# KiCad board trackpad.kicad_pcb (continued)
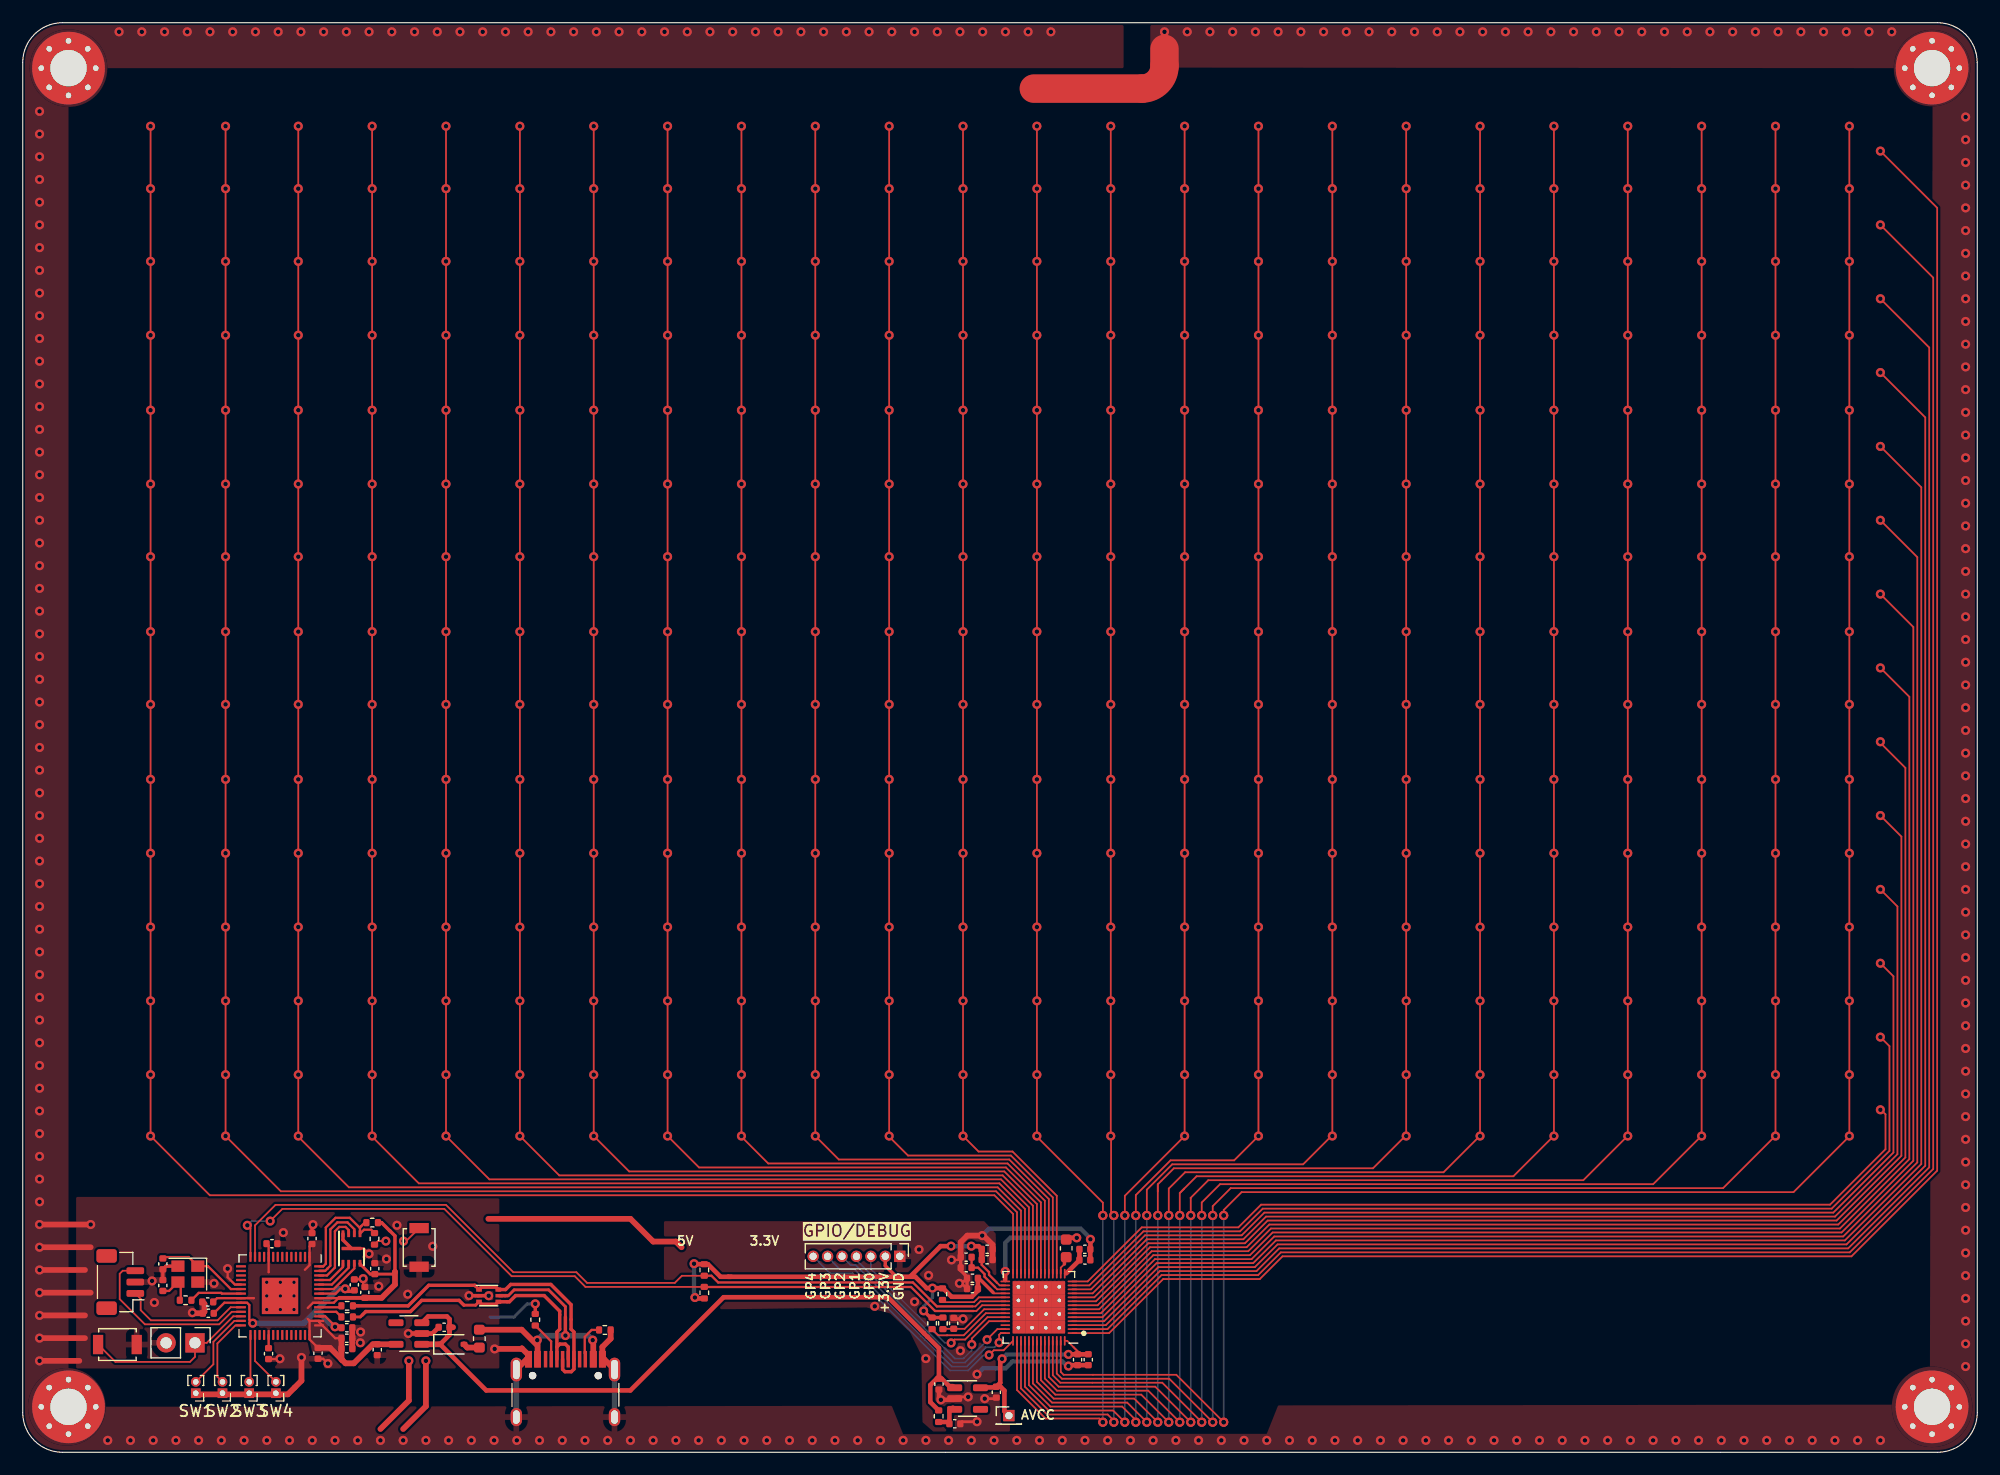
[diagram p0: board, top side]
## Routing (per net, layer and track width the routed paths; a pad name or vN(x,y) marks a point on that pad's centre or on a via; arc(x,y) is an arc through that point) (continued)
  Top w2.5: 100.48,123.55 100.48,122.05 arc(99.89,120.64) 98.48,120.05 88.98,120.05
  Bottom w0.3: 41.13,11.9 43.23,11.9 44.4,13.07 v1(45.11,13.07) ; J5.1 77.39,17.04
  Bottom w0.4: v1(84.44,19.08) 85.04,19.68 93.09,19.68 93.96,18.81 v1(93.96,18.75) ; v1(83.98,6.87) 84.5,7.39 86.48,7.39 87.09,8 91.49,8 91.9,7.59 v1(92.02,7.59)
  Bottom w0.5: J1.S1 J1.S1 ; J1.S1 J1.S1
  vias: v1(1.48,118.05) v1(1.48,116.05) v1(1.48,114.05) v1(1.48,112.05) v1(1.48,110.05) v1(1.48,108.05) v1(1.48,106.05) v1(1.48,104.05) v1(1.48,102.05) v1(1.48,100.05) v1(1.48,98.05) v1(1.48,96.05) v1(1.48,94.05) v1(1.48,92.05) v1(1.48,90.05) v1(1.48,88.05) v1(1.48,86.05) v1(1.48,84.05) v1(1.48,82.05) v1(1.48,80.05) v1(1.48,78.05) v1(1.48,76.05) v1(1.48,74.05) v1(1.48,72.05) v1(1.48,70.05) v1(1.48,68.05) v1(1.48,66.05) v1(1.48,64.05) v1(1.48,62.05) v1(1.48,60.05) v1(1.48,58.05) v1(1.48,56.05) v1(1.48,54.05) v1(1.48,52.05) v1(1.48,50.05) v1(1.48,48.05) v1(1.48,46.05) v1(1.48,44.05) v1(1.48,42.05) v1(1.48,40.05) v1(1.48,38.05) v1(1.48,36.05) v1(1.48,34.05) v1(1.48,32.05) v1(1.48,30.05) v1(1.48,28.05) v1(1.48,26.05) v1(1.48,24.05) v1(1.48,22.05) v1(7.48,1.05) v1(8.48,125.05) v1(9.48,1.05) v1(10.48,125.05) v1(11.38,15.09) v1(11.48,1.05) v1(11.58,13.19) v1(12.48,125.05) v1(13.48,1.05) v1(14.48,125.05) v1(15.48,1.05) v1(16.48,125.05) v1(16.83,14.86) v1(17.48,1.05) v1(18.48,125.05) v1(19.48,1.05) v1(20.48,125.05) v1(21.48,1.05) v1(22.48,125.05) v1(22.93,19.34) v1(23.48,1.05) v1(24.48,125.05) v1(24.53,8.35) v1(25.48,1.05) v1(26.48,125.05) v1(27.48,1.05) v1(28.48,125.05) v1(29.48,1.05) v1(29.71,9.64) v1(29.73,10.59) v1(30.48,125.05) v1(31.33,14.62) v1(31.48,1.05) v1(32.01,17.02) v1(32.48,125.05) v1(32.93,19.99) v1(33.48,1.05) v1(33.88,13.92) v1(34.48,125.05) v1(35.48,1.05) v1(36.08,18.14) v1(36.48,125.05) v1(37.48,1.05) v1(38.48,125.05) v1(39.48,1.05) v1(40.48,125.05) v1(41.48,1.05) v1(42.48,125.05) v1(43.48,1.05) v1(44.48,125.05) v1(45.48,1.05) v1(46.48,125.05) v1(47.48,1.05) v1(48.48,125.05) v1(49.48,1.05) v1(50.48,125.05) v1(51.48,1.05) v1(52.48,125.05) v1(53.48,1.05) v1(54.48,125.05) v1(55.48,1.05) v1(56.48,125.05) v1(57.48,1.05) v1(58.48,125.05) v1(59.48,1.05) v1(60.48,125.05) v1(61.48,1.05) v1(62.48,125.05) v1(63.48,1.05) v1(64.48,125.05) v1(65.48,1.05) v1(66.48,125.05) v1(67.48,1.05) v1(68.48,125.05) v1(69.48,1.05) v1(70.48,125.05) v1(71.48,1.05) v1(72.48,125.05) v1(73.48,1.05) v1(74.48,125.05) v1(74.98,12.85) v1(75.48,1.05) v1(76.48,125.05) v1(77.48,1.05) v1(78.48,125.05) v1(78.48,13.25) v1(78.88,17.85) v1(79.48,8.25) v1(79.48,1.05) v1(79.72,15.57) v1(80.48,125.05) v1(81.48,1.05) v1(82.48,125.05) v1(82.52,8.94) v1(83.48,1.05) v1(84.48,125.05) v1(85.48,1.05) v1(86.48,125.05) v1(87.48,1.05) v1(88.48,125.05) v1(89.48,1.05) v1(90.48,125.05) v1(91.48,1.05) v1(93.48,1.05) v1(95.48,1.05) v1(97.48,1.05) v1(99.48,1.05) v1(100.48,125.05) v1(101.48,1.05) v1(102.48,125.05) v1(103.48,1.05) v1(104.48,125.05) v1(105.48,1.05) v1(106.48,125.05) v1(107.48,1.05) v1(108.48,125.05) v1(109.48,1.05) v1(110.48,125.05) v1(111.48,1.05) v1(112.48,125.05) v1(113.48,1.05) v1(114.48,125.05) v1(115.48,1.05) v1(116.48,125.05) v1(117.48,1.05) v1(118.48,125.05) v1(119.48,1.05) v1(120.48,125.05) v1(121.48,1.05) v1(122.48,125.05) v1(123.48,1.05) v1(124.48,125.05) v1(125.48,1.05) v1(126.48,125.05) v1(127.48,1.05) v1(128.48,125.05) v1(129.48,1.05) v1(130.48,125.05) v1(131.48,1.05) v1(132.48,125.05) v1(133.48,1.05) v1(134.48,125.05) v1(135.48,1.05) v1(136.48,125.05) v1(137.48,1.05) v1(138.48,125.05) v1(139.48,1.05) v1(140.48,125.05) v1(141.48,1.05) v1(142.48,125.05) v1(143.48,1.05) v1(144.48,125.05) v1(145.48,1.05) v1(146.48,125.05) v1(147.48,1.05) v1(148.48,125.05) v1(149.48,1.05) v1(150.48,125.05) v1(151.48,1.05) v1(152.48,125.05) v1(153.48,1.05) v1(154.48,125.05) v1(155.48,1.05) v1(156.48,125.05) v1(157.48,1.05) v1(158.48,125.05) v1(159.48,1.05) v1(160.48,125.05) v1(161.48,1.05) v1(162.48,125.05) v1(163.48,1.05) v1(164.48,125.05) v1(170.98,117.55) v1(170.98,115.55) v1(170.98,113.55) v1(170.98,111.55) v1(170.98,109.55) v1(170.98,107.55) v1(170.98,105.55) v1(170.98,103.55) v1(170.98,101.55) v1(170.98,99.55) v1(170.98,97.55) v1(170.98,95.55) v1(170.98,93.55) v1(170.98,91.55) v1(170.98,89.55) v1(170.98,87.55) v1(170.98,85.55) v1(170.98,83.55) v1(170.98,81.55) v1(170.98,79.55) v1(170.98,77.55) v1(170.98,75.55) v1(170.98,73.55) v1(170.98,71.55) v1(170.98,69.55) v1(170.98,67.55) v1(170.98,65.55) v1(170.98,63.55) v1(170.98,61.55) v1(170.98,59.55) v1(170.98,57.55) v1(170.98,55.55) v1(170.98,53.55) v1(170.98,51.55) v1(170.98,49.55) v1(170.98,47.55) v1(170.98,45.55) v1(170.98,43.55) v1(170.98,41.55) v1(170.98,39.55) v1(170.98,37.55) v1(170.98,35.55) v1(170.98,33.55) v1(170.98,31.55) v1(170.98,29.55) v1(170.98,27.55) v1(170.98,25.55) v1(170.98,23.55) v1(170.98,21.55) v1(170.98,19.55) v1(170.98,17.55) v1(170.98,15.55) v1(170.98,13.55) v1(170.98,11.55) v1(170.98,9.55) v1(170.98,7.55) v2(21.47,14.96) v2(21.47,13.76) v2(21.47,12.56) v2(22.67,14.96) v2(22.67,13.76) v2(22.67,12.56) v2(23.87,14.96) v2(23.87,13.76) v2(23.87,12.56)
VBUS: length 23.5
  Top w0.25: 42.66,13.79 42.73,13.79 43.25,14.3 46.28,14.3 47.76,12.82 47.76,11.91
  Top w0.3: v1(47.76,10.28) 47.76,10.28 47.76,11.91 ; U7.5 42.66,13.79
  Top w0.5: J1.A4 45.31,9.84 v1(45.28,9.87) ; J1.A9 50.21,9.82 v1(50.16,9.87) ; F1.2 43.91,10.79 45.28,9.42
  Bottom w0.5: v1(50.16,9.87) 49.76,10.28 v1(47.76,10.28) 45.68,10.28 v1(45.28,9.87)
(no net): length 31.9
  Top w0.5: 33.48,2.05 35.48,4.05 v1(35.48,8.05) ; 40.98,20.55 53.48,20.55 55.48,18.55 57.48,18.55 57.98,18.05 ; v1(33.98,8.05) 33.98,4.55 31.48,2.05
  vias: v1(163.48,49.55) v1(163.48,43.05)
/Macropad/D+: length 29.6
  Top w0.25: U7.1 39.88,14.6 ; 29.58,12.89 R8.2
  Top w0.3: 39.88,14.6 39.78,14.7 35.73,14.7 33.92,12.89 R8.2 ; J1.A6 47.51,7.31 47.72,7.09 48.28,7.09 48.51,7.32 J1.B6 48.51,10.59 48.26,10.84 48.26,13 46.48,14.78 42.94,14.78 42.49,14.33 U7.6 41.65,14.53 40.36,14.53 U7.1
/Macropad/D-: length 26.8
  Top w0.25: 29.88,12.09 29.71,11.92 R9.2 ; 38.82,12.95 39.86,12.95 U7.3
  Top w0.3: 47.01,9.27 47.27,9.53 47.76,9.53 48.01,9.27 J1.A7 ; 47.01,9.27 J1.B7 ; 47.01,9.27 47.01,10.59 47.26,10.83 47.26,12.42 45.89,13.8 43.38,13.8 42.83,13.25 U7.4 41.64,13.03 40.37,13.03 U7.3 ; 29.88,12.09 30.19,12.39 34.13,12.39 35.11,13.37 38.4,13.37 38.82,12.95
  Top w0.4: R9.2 29.14,12
/Macropad/RUN: length 15.6
  Top w0.15: U1.26 18.53,11.97 16.19,9.64 J9.1 15.16,8.4 14.72,7.96 8.16,7.96 SW_RST1.1
/Macropad/SW1: length 7.4
  Top w0.15: U1.27 18.62,11.57 16.78,9.73 16.78,7.75 SW1.2
/Macropad/SW2: length 6.3
  Top w0.15: U1.28 18.72,11.17 17.13,9.58 17.13,6.65 SW2.2
/Macropad/SW3: length 4.2
  Top w0.15: 20.04,10.33 20.04,6.31 SW3.2
/Macropad/SW4: length 4.9
  Top w0.15: 20.44,10.33 20.44,8.04 SW4.2
/Sensor/CHANGE: length 7.5
  Top w0.15: U4.37 84.76,12.24 82.81,10.3 81.34,10.3 81.34,10.3 80.58,10.3 R11.2
/Sensor/Col1: length 184.2
  Top w0.15: U4.55 91.35,7.07 91.6,6.83 101.51,6.83 v1(105.69,2.65) ; v1(105.69,20.85) 105.69,21.33 107.26,22.9 155.83,22.9 160.61,27.68 160.61,27.73 ; v1(160.75,116.74) v1(160.75,111.24) v1(160.75,104.84) v1(160.75,98.34) v1(160.75,91.74) v1(160.75,85.24) v1(160.75,78.84) v1(160.75,72.24) v1(160.75,65.84) v1(160.75,59.24) v1(160.75,52.74) v1(160.75,46.24) v1(160.75,39.74) v1(160.75,33.24) v1(160.75,27.84)
  Bottom w0.15: v1(105.69,2.65) v1(105.69,20.85) ; v1(160.75,27.84) 160.65,27.84
/Sensor/Col2: length 178.2
  Top w0.15: v1(154.25,116.74) v1(154.25,111.24) v1(154.25,104.84) v1(154.25,98.34) v1(154.25,91.74) v1(154.25,85.24) v1(154.25,78.84) v1(154.25,72.24) v1(154.25,65.84) v1(154.25,59.24) v1(154.25,52.74) v1(154.25,46.24) v1(154.25,39.74) v1(154.25,33.24) v1(154.25,27.84) ; v1(104.72,2.65) 100.9,6.48 91.45,6.48 91,6.93 U4.54 ; 154.11,27.73 149.63,23.25 106.3,23.25 104.72,21.67 v1(104.72,20.85)
  Bottom w0.15: v1(104.72,20.85) v1(104.72,2.65)
/Sensor/Col3: length 172.3
  Top w0.15: v1(103.76,20.85) 103.76,21.99 105.37,23.6 143.48,23.6 147.61,27.73 ; v1(147.75,27.84) v1(147.75,33.24) v1(147.75,39.74) v1(147.75,46.24) v1(147.75,52.74) v1(147.75,59.24) v1(147.75,65.84) v1(147.75,72.24) v1(147.75,78.84) v1(147.75,85.24) v1(147.75,91.74) v1(147.75,98.34) v1(147.75,104.84) v1(147.75,111.24) v1(147.75,116.74) ; v1(103.76,2.65) 100.28,6.12 91.31,6.12 90.65,6.78 U4.53
  Bottom w0.15: v1(103.76,2.65) v1(103.76,20.85)
/Sensor/Col4: length 166.5
  Top w0.15: v1(141.25,116.74) v1(141.25,111.24) v1(141.25,104.84) v1(141.25,98.34) v1(141.25,91.74) v1(141.25,85.24) v1(141.25,78.84) v1(141.25,72.24) v1(141.25,65.84) v1(141.25,59.24) v1(141.25,52.74) v1(141.25,46.24) v1(141.25,39.74) v1(141.25,33.24) v1(141.25,27.84) ; U4.52 90.3,6.64 91.16,5.78 99.66,5.78 v1(102.79,2.65) ; v1(102.79,20.85) 102.79,22.39 102.78,22.4 104.33,23.95 137.33,23.95 141.11,27.73
  Bottom w0.15: v1(102.79,20.85) v1(102.79,2.65)
/Sensor/Col5: length 161.2
  Top w0.15: 102.22,23.21 101.82,22.82 v1(101.82,20.85) ; 102.22,23.21 103.3,24.3 131.18,24.3 134.61,27.73 ; 102.22,23.21 101.87,22.86 ; U4.51 89.95,6.49 91.02,5.43 99.05,5.43 v1(101.82,2.65) ; v1(134.75,116.74) v1(134.75,111.24) v1(134.75,104.84) v1(134.75,98.34) v1(134.75,91.74) v1(134.75,85.24) v1(134.75,78.84) v1(134.75,72.24) v1(134.75,65.84) v1(134.75,59.24) v1(134.75,52.74) v1(134.75,46.24) v1(134.75,39.74) v1(134.75,33.24) v1(134.75,27.84)
  Bottom w0.15: v1(101.82,2.65) v1(101.82,20.85)
/Sensor/Col6: length 154.8
  Top w0.15: v1(128.25,27.84) v1(128.25,33.24) v1(128.25,39.74) v1(128.25,46.24) v1(128.25,52.74) v1(128.25,59.24) v1(128.25,65.84) v1(128.25,72.24) v1(128.25,78.84) v1(128.25,85.24) v1(128.25,91.74) v1(128.25,98.34) v1(128.25,104.84) v1(128.25,111.24) v1(128.25,116.74) ; v1(100.86,2.65) 98.43,5.08 90.87,5.08 89.6,6.35 U4.50 ; 128.11,27.73 125.03,24.65 102.29,24.65 100.86,23.22 v1(100.86,20.85)
  Bottom w0.15: v1(100.86,20.85) v1(100.86,2.65)
/Sensor/Col7: length 149.7
  Top w0.15: v1(99.89,2.65) 97.81,4.73 90.73,4.73 89.25,6.2 U4.49 ; v1(121.75,116.74) v1(121.75,111.24) v1(121.75,104.84) v1(121.75,98.34) v1(121.75,91.74) v1(121.75,85.24) v1(121.75,78.84) v1(121.75,72.24) v1(121.75,65.84) v1(121.75,59.24) v1(121.75,52.74) v1(121.75,46.24) v1(121.75,39.74) v1(121.75,33.24) v1(121.75,27.84) ; v1(99.89,20.85) 99.89,23.59 ; 99.89,23.59 99.89,22.95 ; 99.89,23.59 101.3,25 118.83,25 121.68,27.85
  Bottom w0.15: v1(99.89,2.65) v1(99.89,20.85)
/Sensor/Col8: length 142.8
  Top w0.15: v1(115.25,27.84) v1(115.25,33.24) v1(115.25,39.74) v1(115.25,46.24) v1(115.25,52.74) v1(115.25,59.24) v1(115.25,65.84) v1(115.25,72.24) v1(115.25,78.84) v1(115.25,85.24) v1(115.25,91.74) v1(115.25,98.34) v1(115.25,104.84) v1(115.25,111.24) v1(115.25,116.74) ; v1(98.92,20.85) 98.92,23.11 101.16,25.35 112.68,25.35 115.18,27.85 ; U4.48 88.9,6.06 90.58,4.38 97.2,4.38 v1(98.92,2.65)
  Bottom w0.15: v1(98.92,20.85) v1(98.92,2.65)
/Sensor/Col9: length 136.6
  Top w0.15: v1(97.96,2.65) 97.96,2.82 96.76,4.03 90.44,4.03 88.55,5.92 U4.47 ; v1(108.75,116.74) v1(108.75,111.24) v1(108.75,104.84) v1(108.75,98.34) v1(108.75,91.74) v1(108.75,85.24) v1(108.75,78.84) v1(108.75,72.24) v1(108.75,65.84) v1(108.75,59.24) v1(108.75,52.74) v1(108.75,46.24) v1(108.75,39.74) v1(108.75,33.24) v1(108.75,27.84) 106.61,25.7 101.01,25.7 97.96,22.64 v1(97.96,20.85)
  Bottom w0.15: v1(97.96,2.65) v1(97.96,20.85)
/Sensor/Col10: length 130.4
  Top w0.15: v1(96.99,2.65) 95.96,3.68 90.29,3.68 88.2,5.77 U4.46 ; v1(102.25,116.74) v1(102.25,111.24) v1(102.25,104.84) v1(102.25,98.34) v1(102.25,91.74) v1(102.25,85.24) v1(102.25,78.84) v1(102.25,72.24) v1(102.25,65.84) v1(102.25,59.24) v1(102.25,52.74) v1(102.25,46.24) v1(102.25,39.74) v1(102.25,33.24) v1(102.25,27.84) 96.99,22.58 v1(96.99,20.85)
  Bottom w0.15: v1(96.99,20.85) v1(96.99,2.65)
/Sensor/Col11: length 127.9
  Top w0.15: 95.68,27.85 95.78,27.75 95.78,21.09 v1(96.02,20.85) ; U4.45 87.85,5.63 90.15,3.33 95.48,3.33 96.02,2.78 v1(96.02,2.65) ; v1(95.75,27.84) v1(95.75,33.24) v1(95.75,39.74) v1(95.75,46.24) v1(95.75,52.74) v1(95.75,59.24) v1(95.75,65.84) v1(95.75,72.24) v1(95.75,78.84) v1(95.75,85.24) v1(95.75,91.74) v1(95.75,98.34) v1(95.75,104.84) v1(95.75,111.24) v1(95.75,116.74)
  Bottom w0.15: v1(96.02,2.65) v1(96.02,20.85)
/Sensor/Col12: length 129.6
  Top w0.15: v1(95.06,20.85) 95.06,21.98 89.18,27.85 ; U4.44 87.5,5.48 90.01,2.98 94.73,2.98 v1(95.06,2.65) ; v1(89.25,116.74) v1(89.25,111.24) v1(89.25,104.84) v1(89.25,98.34) v1(89.25,91.74) v1(89.25,85.24) v1(89.25,78.84) v1(89.25,72.24) v1(89.25,65.84) v1(89.25,59.24) v1(89.25,52.74) v1(89.25,46.24) v1(89.25,39.74) v1(89.25,33.24) v1(89.25,27.84)
  Bottom w0.15: v1(95.06,20.85) v1(95.06,2.65)
/Sensor/Col13: length 106.2
  Top w0.15: v1(82.75,27.84) v1(82.75,33.24) v1(82.75,39.74) v1(82.75,46.24) v1(82.75,52.74) v1(82.75,59.24) v1(82.75,65.84) v1(82.75,72.24) v1(82.75,78.84) v1(82.75,85.24) v1(82.75,91.74) v1(82.75,98.34) v1(82.75,104.84) v1(82.75,111.24) v1(82.75,116.74) ; 82.74,27.85 84.12,26.48 87.11,26.48 91,22.58 U4.17
/Sensor/Col14: length 112.3
  Top w0.15: 76.18,27.85 77.91,26.12 86.96,26.12 90.65,22.44 U4.18 ; v1(76.25,116.74) v1(76.25,111.24) v1(76.25,104.84) v1(76.25,98.34) v1(76.25,91.74) v1(76.25,85.24) v1(76.25,78.84) v1(76.25,72.24) v1(76.25,65.84) v1(76.25,59.24) v1(76.25,52.74) v1(76.25,46.24) v1(76.25,39.74) v1(76.25,33.24) v1(76.25,27.84)
/Sensor/Col15: length 118.3
  Top w0.15: v1(69.75,27.84) v1(69.75,33.24) v1(69.75,39.74) v1(69.75,46.24) v1(69.75,52.74) v1(69.75,59.24) v1(69.75,65.84) v1(69.75,72.24) v1(69.75,78.84) v1(69.75,85.24) v1(69.75,91.74) v1(69.75,98.34) v1(69.75,104.84) v1(69.75,111.24) v1(69.75,116.74) ; 69.74,27.85 71.82,25.78 86.82,25.78 90.3,22.29 U4.19
/Sensor/Col16: length 124.5
  Top w0.15: 63.18,27.85 65.61,25.43 86.67,25.43 89.95,22.15 U4.20 ; v1(63.25,116.74) v1(63.25,111.24) v1(63.25,104.84) v1(63.25,98.34) v1(63.25,91.74) v1(63.25,85.24) v1(63.25,78.84) v1(63.25,72.24) v1(63.25,65.84) v1(63.25,59.24) v1(63.25,52.74) v1(63.25,46.24) v1(63.25,39.74) v1(63.25,33.24) v1(63.25,27.84)
/Sensor/Col17: length 130.4
  Top w0.15: U4.21 89.6,22 86.53,25.08 59.52,25.08 v1(56.75,27.84) v1(56.75,33.24) v1(56.75,39.74) v1(56.75,46.24) v1(56.75,52.74) v1(56.75,59.24) v1(56.75,65.84) v1(56.75,72.24) v1(56.75,78.84) v1(56.75,85.24) v1(56.75,91.74) v1(56.75,98.34) v1(56.75,104.84) v1(56.75,111.24) v1(56.75,116.74)
/Sensor/Col18: length 136.5
  Top w0.15: v1(50.25,116.74) v1(50.25,111.24) v1(50.25,104.84) v1(50.25,98.34) v1(50.25,91.74) v1(50.25,85.24) v1(50.25,78.84) v1(50.25,72.24) v1(50.25,65.84) v1(50.25,59.24) v1(50.25,52.74) v1(50.25,46.24) v1(50.25,39.74) v1(50.25,33.24) v1(50.25,27.84) 53.37,24.73 86.38,24.73 89.25,21.86 U4.22
/Sensor/Col19: length 142.6
  Top w0.15: v1(43.75,116.74) v1(43.75,111.24) v1(43.75,104.84) v1(43.75,98.34) v1(43.75,91.74) v1(43.75,85.24) v1(43.75,78.84) v1(43.75,72.24) v1(43.75,65.84) v1(43.75,59.24) v1(43.75,52.74) v1(43.75,46.24) v1(43.75,39.74) v1(43.75,33.24) v1(43.75,27.84) 47.22,24.38 86.24,24.38 88.9,21.71 U4.23
/Sensor/Col20: length 148.6
  Top w0.15: U4.24 88.55,21.57 86.09,24.03 41.07,24.03 v1(37.25,27.84) v1(37.25,33.24) v1(37.25,39.74) v1(37.25,46.24) v1(37.25,52.74) v1(37.25,59.24) v1(37.25,65.84) v1(37.25,72.24) v1(37.25,78.84) v1(37.25,85.24) v1(37.25,91.74) v1(37.25,98.34) v1(37.25,104.84) v1(37.25,111.24) v1(37.25,116.74)
/Sensor/Col21: length 154.8
  Top w0.15: 30.68,27.85 34.86,23.68 85.95,23.68 88.2,21.42 U4.25 ; v1(30.75,27.84) v1(30.75,33.24) v1(30.75,39.74) v1(30.75,46.24) v1(30.75,52.74) v1(30.75,59.24) v1(30.75,65.84) v1(30.75,72.24) v1(30.75,78.84) v1(30.75,85.24) v1(30.75,91.74) v1(30.75,98.34) v1(30.75,104.84) v1(30.75,111.24) v1(30.75,116.74)
/Sensor/Col22: length 160.8
  Top w0.15: U4.26 87.85,21.28 85.8,23.33 28.71,23.33 24.18,27.85 ; v1(24.25,27.84) v1(24.25,33.24) v1(24.25,39.74) v1(24.25,46.24) v1(24.25,52.74) v1(24.25,59.24) v1(24.25,65.84) v1(24.25,72.24) v1(24.25,78.84) v1(24.25,85.24) v1(24.25,91.74) v1(24.25,98.34) v1(24.25,104.84) v1(24.25,111.24) v1(24.25,116.74)
/Sensor/Col23: length 166.7
  Top w0.15: U4.27 87.5,21.13 85.66,22.98 22.72,22.98 v1(17.85,27.84) v1(17.85,116.74)
  vias: v1(17.85,111.24) v1(17.85,104.84) v1(17.85,98.34) v1(17.85,91.74) v1(17.85,85.24) v1(17.85,78.84) v1(17.85,72.24) v1(17.85,65.84) v1(17.85,59.24) v1(17.85,52.74) v1(17.85,46.24) v1(17.85,39.74) v1(17.85,33.24)
/Sensor/Col24: length 172.9
  Top w0.15: v1(11.25,116.74) v1(11.25,111.24) v1(11.25,104.84) v1(11.25,98.34) v1(11.25,91.74) v1(11.25,85.24) v1(11.25,78.84) v1(11.25,72.24) v1(11.25,65.84) v1(11.25,59.24) v1(11.25,52.74) v1(11.25,46.24) v1(11.25,39.74) v1(11.25,33.24) v1(11.25,27.84) 16.47,22.62 85.51,22.62 87.15,20.99 U4.28
/Sensor/GPIO0: length 16.6
  Top w0.15: v1(81.7,9.63) 82,9.93 82.93,9.93 84.9,11.89 U4.38
  Bottom w0.15: v1(81.7,9.63) 81.15,9.63 74.64,16.14 J5.3
/Sensor/GPIO1: length 19
  Top w0.15: v1(83.52,9.49) 83.52,10.01 85.05,11.54 U4.39
  Bottom w0.15: J5.4 73.37,16.92 82.04,8.25 82.78,8.25 83.52,8.99 v1(83.52,9.49)
/Sensor/GPIO2: length 19.5
  Top w0.15: U4.41 85.77,10.84 84.87,9.94 v1(84.87,9.91)
  Bottom w0.15: J5.5 72.1,17.23 72.86,16.48 73.32,16.48 81.89,7.9 82.93,7.9 84.87,9.84 v1(84.87,9.91)
/Sensor/GPIO3: length 21.3
  Top w0.15: v1(85.93,9.65) 85.93,10.35 86.07,10.49 U4.42
  Bottom w0.15: v1(85.93,9.65) 85.51,9.24 84.76,9.24 83.07,7.55 81.75,7.55 73.17,16.12 71.91,16.12 70.83,17.2 J5.6
/Sensor/GPIO4: length 22.8
  Top w0.15: U4.43 86.32,8.98 85.46,8.98 v1(85.04,8.57)
  Bottom w0.15: v1(85.04,8.57) 84.58,8.57 83.22,7.2 81.6,7.2 73.03,15.78 71.04,15.78 J5.7
/Sensor/RESET: length 6.2
  Top w0.15: U4.36 84.61,12.59 82.89,10.87 C16.1 81.01,10.87 R10.2
/Sensor/Row1: length 173.9
  Top w0.15: v1(163.48,114.55) 168.48,109.55 168.48,24.8 160.93,17.25 110.86,17.25 108.86,15.25 100.36,15.25 95.61,10.49 U4.1
/Sensor/Row2: length 166.6
  Top w0.15: v1(163.48,108.05) 168.13,103.4 168.13,24.94 160.79,17.6 110.72,17.6 108.72,15.6 100.22,15.6 95.46,10.84 U4.2
/Sensor/Row3: length 159.4
  Top w0.15: v1(163.48,101.55) 167.78,97.25 167.78,25.09 160.64,17.95 110.57,17.95 108.57,15.95 100.07,15.95 95.32,11.19 U4.3
/Sensor/Row4: length 152.2
  Top w0.15: U4.4 95.17,11.54 99.93,16.3 108.43,16.3 110.43,18.3 160.5,18.3 167.43,25.23 167.43,91.1 v1(163.48,95.05)
/Sensor/Row5: length 145
  Top w0.15: v1(163.48,88.55) 167.08,84.95 167.08,25.38 160.35,18.65 110.28,18.65 108.28,16.65 99.78,16.65 95.03,11.89 U4.5
/Sensor/Row6: length 137.7
  Top w0.15: U4.6 94.88,12.24 99.64,17 108.14,17 110.14,19 160.21,19 166.73,25.52 166.73,78.8 v1(163.48,82.05)
/Sensor/Row7: length 130.5
  Top w0.15: v1(163.48,75.55) 166.38,72.65 166.38,25.67 160.06,19.35 109.99,19.35 107.99,17.35 99.49,17.35 94.74,12.59 U4.7
/Sensor/Row8: length 123.3
  Top w0.15: 163.49,69.05 166.03,66.51 166.03,25.81 159.92,19.7 109.85,19.7 107.85,17.7 99.35,17.7 94.59,12.94 U4.8 ; 163.49,69.05 v1(163.48,69.05) 163.48,69.06 163.49,69.05
/Sensor/Row9: length 116.1
  Top w0.15: U4.9 94.45,13.29 99.2,18.05 107.7,18.05 109.7,20.05 159.77,20.05 165.68,25.96 165.68,60.25 163.38,62.55
  vias: v1(163.48,62.55)
/Sensor/Row10: length 108.8
  Top w0.15: U4.10 94.3,13.64 99.06,18.4 107.56,18.4 109.56,20.4 159.63,20.4 165.33,26.1 165.33,54.2 v1(163.48,56.05)
/Sensor/Row11: length 101.6
  Top w0.15: 163.48,49.55 164.98,48.05 164.98,26.25 159.48,20.75 109.41,20.75 107.41,18.75 98.91,18.75 94.16,13.99 U4.11
/Sensor/Row12: length 94.4
  Top w0.15: 163.48,43.05 164.63,41.9 164.63,26.39 159.34,21.1 109.27,21.1 107.27,19.1 98.77,19.1 94.01,14.34 U4.12
/Sensor/Row13: length 87.2
  Top w0.15: v1(163.48,36.55) 164.28,35.75 164.28,26.54 159.19,21.45 109.12,21.45 107.12,19.45 98.62,19.45 93.87,14.69 U4.13
/Sensor/Row14: length 80
  Top w0.15: U4.14 93.72,15.04 98.48,19.8 106.98,19.8 108.98,21.8 159.05,21.8 163.93,26.68 163.93,29.75 163.53,30.15
  vias: v1(163.48,30.15)
SCL: length 74
  Top w0.15: R13.2 49.52,14.56 48.58,15.5 43.03,15.5 37.1,21.43 22.85,21.43 v1(21.77,20.35) ; U4.35 84.43,12.94 83.93,12.44 83.68,12.44 ; v1(19.77,19.98) 20.04,19.71 20.04,17.2
  Top w0.2: 60.12,14.55 78.17,14.55 80.28,12.44 83.68,12.44
  Bottom w0.15: v1(21.77,20.35) 20.14,20.35 v1(19.77,19.98)
SDA: length 73.9
  Top w0.15: 83.58,12.84 83.83,12.84 84.28,13.29 U4.34 ; R14.2 58.01,15.54 57.38,14.91 49.66,14.91 48.72,15.85 43.18,15.85 37.25,21.78 22.25,21.78 20.44,19.98 20.44,17.2
  Top w0.2: 60.08,15.54 60.61,15.54 61.2,14.95 78.34,14.95 80.45,12.84 83.58,12.84
Net-(C13-Pad1): length 3.4
  Top w0.2: R3.2 13.91,13.47 13.91,14.74 Y1.3 12.88,14.21 C13.1
Net-(D1-A): length 1.5
  Top w0.5: D1.2 39.12,9.22 F1.1
Net-(J1-CC1): length 3.5
  Top w0.2: R6.1 46.5,9.76 46.5,8.2 J1.A5
Net-(J1-CC2): length 3.5
  Top w0.16: J1.B5 49.51,8.67 49.48,8.7
  Top w0.2: R7.1 50.07,10.77 49.46,10.16 49.46,8.72 49.48,8.7
Net-(J3-Pin_1): length 11.3
  Top w0.15: U1.24 18.3,12.77 17.15,11.62 11.28,11.62 10.38,12.51 10.38,13.51 J3.1
Net-(J3-Pin_3): length 15.8
  Top w0.15: J3.3 8.8,15.99 8.53,15.71 8.53,13.49 10.75,11.27 17.29,11.27 18.4,12.37 U1.25
Net-(R2-Pad1): length 3
  Top w0.16: SW_BOOT1.2 33.74,18.59 v1(33.51,18.59) ; R2.1 31.27,18.59 v1(31.96,18.59)
Net-(U1-QSPI_SCLK): length 3.6
  Top w0.2: U1.52 27.2,14.77 28.68,16.25 U2.6
Net-(U1-QSPI_SD0): length 2.9
  Top w0.2: U1.53 27.04,15.17 28.18,16.31 U2.5
Net-(U1-QSPI_SD1): length 7.9
  Top w0.2: 26.58,15.97 U1.55 26.61,15.97 26.82,16.17 27.07,16.43 27.07,19.62 27.69,20.24 28.58,20.24 29.18,19.63 U2.2
Net-(U1-QSPI_SD2): length 6.7
  Top w0.2: U1.54 26.78,15.57 27.47,16.26 27.47,19.45 27.86,19.84 28.41,19.84 28.68,19.57 U2.3
Net-(U1-QSPI_SD3): length 4.3
  Top w0.2: U2.7 29.18,16.18 27.37,14.37 U1.51
Net-(U1-QSPI_SS): length 10.6
  Top w0.2: R2.2 30.67,19.59 30.03,19.59 U2.1 29.68,19.81 29.8,19.92 ; 29.8,19.92 30.09,20.22 R1.2 ; 29.8,19.92 29.65,19.77 28.78,20.64 27.53,20.64 26.67,19.79 26.67,16.59 26.45,16.37 U1.56
Net-(U1-USB_DM): length 2.1
  Top w0.2: R9.1 27.59,12.37 U1.46
Net-(U1-USB_DP): length 2
  Top w0.2: R8.1 27.92,12.77 U1.47
Net-(U1-XIN): length 8.1
  Top w0.2: U1.20 18.32,14.37 16.3,16.39 15.41,16.39 14.61,17.19 12.45,17.19 C12.1
Net-(U1-XOUT): length 4.7
  Top w0.2: U1.21 17.52,13.97 17.46,14.04 15.49,14.04 R3.1
Net-(U4-EXCAP0): length 10.9
  Top w0.15: U4.29 86.45,15.06 86.45,15.18
  Top w0.3: 91.98,18.88 C17.2 ; 86.45,15.92 v1(86.47,15.93)
  Top w0.4: v1(92.76,18.88) 91.98,18.88 ; 86.45,15.18 86.45,15.92
  Bottom w0.3: 86.47,15.93 v1(86.47,15.93) ; v1(92.76,18.88) 92.75,18.88
  Bottom w0.4: 86.47,15.93 86.47,18.44 86.91,18.88 92.75,18.88
Net-(U4-EXCAP1): length 1.3
  Top w0.15: U4.16 91.35,16.25 91.67,16.58
  Top w0.3: 91.67,16.58 91.67,16.92 91.67,16.92
Net-(U4-TEST): length 5.8
  Top w0.15: U4.33 84.14,13.64 83.71,13.22 81.14,13.22 R12.2
Net-(U4-VDDCORE): length 4.8
  Top w0.15: U4.31 85.76,14.34 85.57,14.53
  Top w0.2: 85.57,14.53 84.64,15.46 84.64,15.69 84.08,16.25 C22.2 C23.2
Net-(U4-XVDD): length 2.7
  Top w0.15: 91.78,15.81 91.7,15.73 U4.15
  Top w0.4: C18.1 C19.1 92.99,16.91 91.84,15.76
Net-(U5-EN): length 2.6
  Top w0.4: 81.86,3.93 81.55,3.62 C39.1 81.4,2.67 R17.2

## Copper pours and planes (outline as drawn; the poured copper is in the pictures)
3V3 on Top: 26.31,17.46 26.34,17.45 26.36,17.43 26.38,17.4 26.38,17.37 26.38,10.22 26.38,10.19 26.36,10.16 26.34,10.14 26.31,10.12 26.28,10.12 19.03,10.12 19,10.12 18.97,10.14 18.95,10.16 18.94,10.19 18.93,10.22 18.93,17.37 18.94,17.4 18.95,17.43 18.97,17.45 19,17.46 19.03,17.47 26.28,17.47
3V3 on Top: 19.38,16.57 19.88,17.17 25.28,17.17 25.58,18.67 26.38,18.67 26.28,16.57 26.08,16.47 26.18,11.87 28.28,10.67 28.28,9.07 26.48,8.77 25.48,8.77 25.18,10.15 24.84,10.47 19.38,10.47
GND on Top, Bottom: 168.57,125.18 168.93,125.1 169.28,124.98 169.61,124.83 169.92,124.64 170.21,124.42 170.48,124.17 170.71,123.89 170.92,123.59 171.09,123.27 171.22,122.93 171.32,122.58 171.38,122.22 171.4,121.85 171.38,121.49 171.32,121.13 171.22,120.78 171.09,120.44 170.92,120.12 170.71,119.81 170.48,119.53 170.21,119.28 169.92,119.06 169.61,118.87 169.28,118.72 168.93,118.61 168.57,118.53 168.21,118.49 167.85,118.49 167.48,118.53 167.13,118.61 166.78,118.72 166.45,118.87 166.14,119.06 165.85,119.28 165.58,119.53 165.35,119.81 165.14,120.12 164.97,120.44 164.83,120.78 164.74,121.13 164.68,121.49 164.66,121.85 164.68,122.22 164.74,122.58 164.83,122.93 164.97,123.27 165.14,123.59 165.35,123.89 165.58,124.17 165.85,124.42 166.14,124.64 166.45,124.83 166.78,124.98 167.13,125.1 167.48,125.18 167.85,125.22 168.21,125.22
GND on Top, Bottom: 168.4,7.53 168.77,7.47 169.12,7.37 169.47,7.24 169.8,7.07 170.11,6.87 170.4,6.64 170.66,6.37 170.9,6.08 171.1,5.77 171.27,5.44 171.4,5.1 171.5,4.74 171.56,4.37 171.58,4 171.56,3.63 171.5,3.26 171.4,2.9 171.27,2.56 171.1,2.23 170.9,1.92 170.66,1.63 170.4,1.36 170.11,1.13 169.8,0.93 169.47,0.76 169.12,0.63 168.77,0.53 168.4,0.47 168.03,0.45 167.66,0.47 167.29,0.53 166.93,0.63 166.59,0.76 166.26,0.93 165.94,1.13 165.66,1.36 165.39,1.63 165.16,1.92 164.96,2.23 164.79,2.56 164.66,2.9 164.56,3.26 164.5,3.63 164.48,4 164.5,4.37 164.56,4.74 164.66,5.1 164.79,5.44 164.96,5.77 165.16,6.08 165.39,6.37 165.66,6.64 165.94,6.87 166.26,7.07 166.59,7.24 166.93,7.37 167.29,7.47 167.66,7.53 168.03,7.55
GND on Top, Bottom: 172.41,125.95 172.13,0 -0.02,-0.22 -0.07,125.85 96.88,125.85 96.88,121.85 4.03,121.85 4.03,4 76.48,4.09 77.48,1.59 109.48,1.63 110.48,4.13 167.83,4.2 168.08,121.85 99.23,121.9 99.23,125.9
GND on Top, Bottom: 85.63,19.25 85.68,15.3 91.88,15.23 91.88,10.29 85.68,10.28 85.7,9.48 85.73,6.08 86.88,4.48 86.88,1.83 80.13,1.83 79.18,2.65 79.08,8.55 78.08,10.57 76.33,12.22 74.26,12.75 62.41,12.6 56.43,12.58 56.43,20.35 84.61,20.35
GND on Top, Bottom: 4.58,125.22 4.94,125.15 5.29,125.03 5.63,124.87 5.95,124.68 6.24,124.46 6.51,124.2 6.75,123.92 6.96,123.61 7.13,123.29 7.27,122.94 7.37,122.59 7.43,122.22 7.45,121.85 7.43,121.48 7.37,121.12 7.27,120.76 7.13,120.42 6.96,120.09 6.75,119.79 6.51,119.5 6.24,119.25 5.95,119.02 5.63,118.83 5.29,118.68 4.94,118.56 4.58,118.48 4.21,118.44 3.84,118.44 3.48,118.48 3.11,118.56 2.76,118.68 2.43,118.83 2.11,119.02 1.82,119.25 1.55,119.5 1.31,119.79 1.1,120.09 0.93,120.42 0.79,120.76 0.69,121.12 0.63,121.48 0.61,121.85 0.63,122.22 0.69,122.59 0.79,122.94 0.93,123.29 1.1,123.61 1.31,123.92 1.55,124.2 1.82,124.46 2.11,124.68 2.43,124.87 2.76,125.03 3.11,125.15 3.48,125.22 3.84,125.26 4.21,125.26
GND on Top, Bottom: 4.7,22.48 41.95,22.48 41.95,7.38 4.7,7.38
GND on Top, Bottom: 4.43,7.37 4.79,7.29 5.14,7.17 5.48,7.02 5.79,6.83 6.09,6.6 6.36,6.35 6.6,6.07 6.8,5.76 6.98,5.43 7.12,5.09 7.21,4.73 7.27,4.37 7.29,4 7.27,3.63 7.21,3.27 7.12,2.91 6.98,2.57 6.8,2.24 6.6,1.93 6.36,1.65 6.09,1.4 5.79,1.17 5.48,0.98 5.14,0.83 4.79,0.71 4.43,0.63 4.06,0.59 3.69,0.59 3.32,0.63 2.96,0.71 2.61,0.83 2.28,0.98 1.96,1.17 1.67,1.4 1.4,1.65 1.16,1.93 0.95,2.24 0.78,2.57 0.64,2.91 0.54,3.27 0.48,3.63 0.46,4 0.48,4.37 0.54,4.73 0.64,5.09 0.78,5.43 0.95,5.76 1.16,6.07 1.4,6.35 1.67,6.6 1.96,6.83 2.28,7.02 2.61,7.17 2.96,7.29 3.32,7.37 3.69,7.41 4.06,7.41
/Sensor/Col1 on Bottom: 163.5,92 163.5,91.7 160.9,89.1 160.6,89.1 158,91.7 158,92 160.6,94.59 160.9,94.59
/Sensor/Col1 on Bottom: 163.5,33.5 163.5,33.2 160.9,30.6 160.6,30.6 158,33.2 158,33.5 160.6,36.09 160.9,36.09
/Sensor/Col1 on Bottom: 163.5,72.5 163.5,72.2 160.9,69.6 160.6,69.6 158,72.2 158,72.5 160.6,75.09 160.9,75.09
/Sensor/Col1 on Bottom: 163.5,98.5 163.5,98.2 160.9,95.6 160.6,95.6 158,98.2 158,98.5 160.6,101.09 160.9,101.09
/Sensor/Col1 on Bottom: 160.8,26.85 158,26.85 158,27 160.6,29.59 160.9,29.59 162.88,27.61
/Sensor/Col1 on Bottom: 163.5,40 163.5,39.7 160.9,37.1 160.6,37.1 158,39.7 158,40 160.6,42.59 160.9,42.59
/Sensor/Col1 on Bottom: 163.5,66 163.5,65.7 160.9,63.1 160.6,63.1 158,65.7 158,66 160.6,68.59 160.9,68.59
/Sensor/Col1 on Bottom: 162.88,117.08 160.9,115.1 160.6,115.1 158,117.7 158,117.85 160.8,117.85
/Sensor/Col1 on Bottom: 163.5,111.5 163.5,111.2 160.9,108.6 160.6,108.6 158,111.2 158,111.5 160.6,114.09 160.9,114.09
/Sensor/Col1 on Bottom: 163.5,59.5 163.5,59.2 160.9,56.6 160.6,56.6 158,59.2 158,59.5 160.6,62.09 160.9,62.09
/Sensor/Col1 on Bottom: 160.6,107.59 160.9,107.59 163.5,105 163.5,104.7 160.9,102.1 160.6,102.1 158,104.7 158,105
/Sensor/Col1 on Bottom: 163.5,85.5 163.5,85.2 160.9,82.6 160.6,82.6 158,85.2 158,85.5 160.6,88.09 160.9,88.09
/Sensor/Col1 on Bottom: 163.5,79 163.5,78.7 160.9,76.1 160.6,76.1 158,78.7 158,79 160.6,81.59 160.9,81.59
/Sensor/Col1 on Bottom: 163.5,46.5 163.5,46.2 160.9,43.6 160.6,43.6 158,46.2 158,46.5 160.6,49.09 160.9,49.09
/Sensor/Col1 on Bottom: 163.5,53 163.5,52.7 160.9,50.1 160.6,50.1 158,52.7 158,53 160.6,55.59 160.9,55.59
/Sensor/Col2 on Bottom: 157,59.5 157,59.2 154.4,56.6 154.1,56.6 151.5,59.2 151.5,59.5 154.1,62.09 154.4,62.09
/Sensor/Col2 on Bottom: 157,105 157,104.7 154.4,102.1 154.1,102.1 151.5,104.7 151.5,105 154.1,107.59 154.4,107.59
/Sensor/Col2 on Bottom: 154.1,115.1 151.5,117.7 151.5,117.85 157,117.85 157,117.7 154.4,115.1
/Sensor/Col2 on Bottom: 157,111.5 157,111.2 154.4,108.6 154.1,108.6 151.5,111.2 151.5,111.5 154.1,114.09 154.4,114.09
/Sensor/Col2 on Bottom: 157,66 157,65.7 154.4,63.1 154.1,63.1 151.5,65.7 151.5,66 154.1,68.59 154.4,68.59
/Sensor/Col2 on Bottom: 157,53 157,52.7 154.4,50.1 154.1,50.1 151.5,52.7 151.5,53 154.1,55.59 154.4,55.59
/Sensor/Col2 on Bottom: 154.4,29.59 157,27 157,26.85 151.5,26.85 151.5,27 154.1,29.59
/Sensor/Col2 on Bottom: 157,98.5 157,98.2 154.4,95.6 154.1,95.6 151.5,98.2 151.5,98.5 154.1,101.09 154.4,101.09
/Sensor/Col2 on Bottom: 157,46.5 157,46.2 154.4,43.6 154.1,43.6 151.5,46.2 151.5,46.5 154.1,49.09 154.4,49.09
/Sensor/Col2 on Bottom: 157,79 157,78.7 154.4,76.1 154.1,76.1 151.5,78.7 151.5,79 154.1,81.59 154.4,81.59
/Sensor/Col2 on Bottom: 157,33.5 157,33.2 154.4,30.6 154.1,30.6 151.5,33.2 151.5,33.5 154.1,36.09 154.4,36.09
/Sensor/Col2 on Bottom: 157,92 157,91.7 154.4,89.1 154.1,89.1 151.5,91.7 151.5,92 154.1,94.59 154.4,94.59
/Sensor/Col2 on Bottom: 157,85.5 157,85.2 154.4,82.6 154.1,82.6 151.5,85.2 151.5,85.5 154.1,88.09 154.4,88.09
/Sensor/Col2 on Bottom: 157,40 157,39.7 154.4,37.1 154.1,37.1 151.5,39.7 151.5,40 154.1,42.59 154.4,42.59
/Sensor/Col2 on Bottom: 157,72.5 157,72.2 154.4,69.6 154.1,69.6 151.5,72.2 151.5,72.5 154.1,75.09 154.4,75.09
/Sensor/Col3 on Bottom: 150.5,98.5 150.5,98.2 147.9,95.6 147.6,95.6 145,98.2 145,98.5 147.6,101.09 147.9,101.09
/Sensor/Col3 on Bottom: 150.5,40 150.5,39.7 147.9,37.1 147.6,37.1 145,39.7 145,40 147.6,42.59 147.9,42.59
/Sensor/Col3 on Bottom: 150.5,111.5 150.5,111.2 147.9,108.6 147.6,108.6 145,111.2 145,111.5 147.6,114.09 147.9,114.09
/Sensor/Col3 on Bottom: 150.5,72.5 150.5,72.2 147.9,69.6 147.6,69.6 145,72.2 145,72.5 147.6,75.09 147.9,75.09
/Sensor/Col3 on Bottom: 147.9,29.59 150.5,27 150.5,26.85 145,26.85 145,27 147.6,29.59
